# Altium PCB Armor_Plate.PcbDoc (continued)
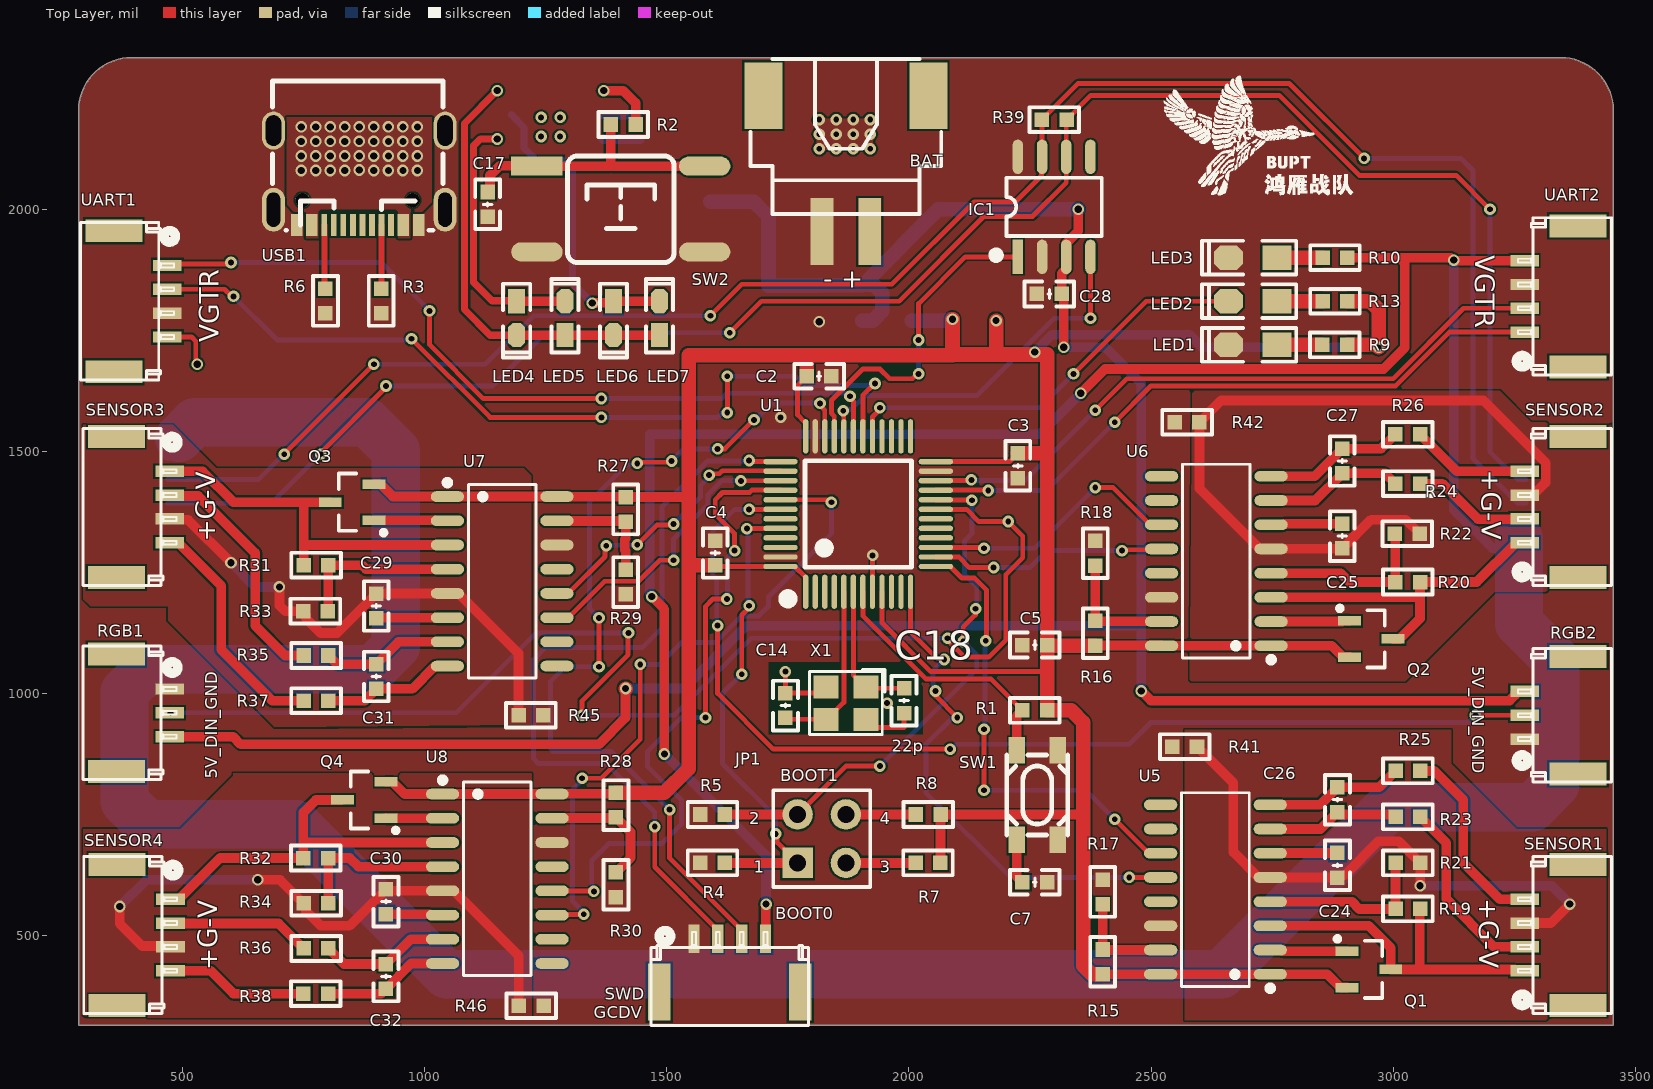
[diagram p0: Top Layer view]
## Nets (pads, with @x,y where several pads share a name; then routed paths per layer and width w, separated by ;. In a path a pad name is that pad's centre, name@x,y a point inside that pad or via, vN(x,y) a via of type N, cw(c..) or ccw(c..) an arc to the next point about the centre after c; other vN are vias at no path point)
A8: LED2.2 U1.29 | length 876.6
  Top Layer w10: U1.29 1924.88,1531.09 1924.88,1571.09 1940,1586.21 v1(1940,1590) ; v1(2340,1660) 2490,1810 LED2.2
  Bottom Layer w10: v1(1940,1590) 2270,1590 v1(2340,1660)
AGND1: C24.2 R21.1 R41.1 SENSOR1.3 U5.5 | length 1188.7
  Top Layer w20: R41.1 2670,815 2670,672.3 2722.3,620 U5.5 2746.48,619.71 2884.7,619.71 C24.2 2890,624.41 2899.41,624.41 2970,695 3011.18,695 R21.1 3055.96,649.78 3055.96,603.12 v2(3055.74,602.9) ; SENSOR1.3 3325.79,525.79 v2(3365,565)
  Bottom Layer w20: v2(3055.74,602.9) 3327.1,602.9 v2(3365,565)
AGND2: C25.2 R22.1 R42.1 SENSOR2.3 U6.5 | length 1574.4
  Top Layer w20: 2915.8,1321.59 2924,1329.79 ; R22.1 3026,1359 2954.58,1359 C25.2 2894.42,1298.84 2748.48,1298.84 U6.5 2724.76,1298.45 2600,1423.21 R42.1 2645,1605 3186.53,1605 3315.1,1476.43 3315.1,1435.42 3289.29,1409.61 SENSOR2.3
AGND3: C29.2 R33.1 R45.1 SENSOR3.3 U7.5 | length 1058.4
  Top Layer w20: SENSOR3.3 475.24,1358.58 511.42,1358.58 v2(599.95,1270.05) ; v2(700,1220) 700,1181.72 711.72,1170 R33.1 755,1163.82 755,1155 785,1125 818.82,1125 C29.2 900.19,1206.37 1046.72,1206.37 U7.5 1070.24,1206.55 1193.82,1082.97 R45.1
  Bottom Layer w20: v2(599.95,1270.05) 650,1220 v2(700,1220)
AGND4: C30.2 R34.1 R46.1 SENSOR4.3 U8.5 | length 1244.3
  Top Layer w20: v2(370,560) 370,525 416.61,478.39 473.19,478.39 SENSOR4.3 ; v2(655,615) 701.67,615 R34.1 755,561.67 755,550.71 785.71,520 844.42,520 C30.2 922.99,592.6 1036.52,592.6 U8.5 1060.24,592.2 1194.41,458.03 R46.1
  Bottom Layer w20: v2(370,560) 425,615 v2(655,615)
AVDD1: Q1.3 R19.1 SENSOR1.1 U5.3 | length 715.6
  Top Layer w20: U5.3 2950,520 2995,475 Q1.3 3055,430 ; R19.1 3055,553.82 3055,430 ; SENSOR1.1 3253.86,427.36 3251.22,430 3055,430
AVDD2: Q2.3 R20.1 SENSOR2.1 U6.3 | length 707.9
  Top Layer w20: U6.3 3049.52,1198.45 3055.59,1192.37 ; Q2.3 3013.46,1112.6 3055.59,1154.73 3055.59,1192.37 ; SENSOR2.1 3253.86,1311.18 3172.68,1230.01 R20.1 3055.59,1192.37
AVDD3: Q3.3 R31.1 SENSOR3.1 U7.3 | length 786.4
  Top Layer w20: SENSOR3.1 541.18,1458.82 605,1395 750,1395 ; R31.1 749.99,1310 ; Q3.3 750,1395 ; U7.3 753.44,1306.55 749.99,1310 ; 749.99,1310 749.99,1394.99
AVDD4: Q4.3 R32.1 SENSOR4.1 U8.3 | length 783.9
  Top Layer w20: SENSOR4.1 492.72,575 577.71,660 R32.1 749.41,695 ; Q4.3 775,780 749.41,754.41 749.41,695 ; U8.3 752.2,692.2 749.41,695
BOOT0: JP1.1 R4.2 U1.44 | length 998.8
  Top Layer w10: v1(1654.78,1039.78) 1654.78,1161.99 1670,1177.21 v1(1670,1181) ; v1(1665.46,1340.46) 1665.92,1340.92 U1.44 ; v1(1725,710) 1727.68,707.32 1727.68,692.32 JP1.1
  Top Layer w20: R4.2 JP1.1
  Bottom Layer w10: v1(1654.78,1039.78) 1615,1000 1615,855 1725,745 v1(1725,710) ; v1(1665.46,1340.46) 1667.73,1338.19 1667.73,1183.27 v1(1670,1181)
BOOT1: JP1.2 R5.1 U1.20 | length 1107.5
  Top Layer w10: JP1.2 1870,850 v1(1940,850) ; U1.20 2055.8,1399.79 2129.21,1399.79 v1(2130,1399) ; v1(2112.35,1107.35) 2112.35,1137.35 2137.32,1162.32 2137.32,1174.57 v1(2137.75,1175)
  Top Layer w20: R5.1 JP1.2
  Bottom Layer w10: v1(1940,850) 2140,1050 2140,1079.7 v1(2112.35,1107.35) ; v1(2130,1399) 2130,1330.11 2115,1315.11 2115,1245 2140,1220 2140,1177.25 v1(2137.75,1175)
CAN_RX: IC1.4 U1.32 | length 770.1
  Top Layer w10: v1(1864.32,1584) 1865.44,1582.88 1865.44,1531.09 U1.32 ; v1(2375,1775) IC1.4
  Bottom Layer w10: v1(1864.32,1584) 1866.99,1586.68 1881.07,1586.68 1909.4,1615 2140,1615 2300,1775 v1(2375,1775)
CAN_TX: IC1.1 U1.33 | length 685.9
  Top Layer w10: U1.33 1845.75,1531.09 1845.75,1572.86 1840.07,1578.55 1840.07,1605.07 1905,1670 1940,1670 1960,1650 2007.14,1650 2017.14,1660 v1(2020,1660) ; v1(2020,1730) 2020,1805 2116.65,1901.65 IC1.1
  Bottom Layer w10: v1(2020,1660) v1(2020,1730)
CANH: IC1.7 IN.4 OUT.4 R39.1 | length 3922
  Top Layer w10: v1(710,1494) 710,1495 v1(895,1680) ; v1(1590,1780) 1655,1845 1965,1845 2135,2015 2220,2015 2273.61,2068.61 2273.61,2079.19 2275,2080.59 2275,2184.4 R39.1 2349.41,2260 2785,2260 v1(2940,2105)
  Bottom Layer w10: OUT.4 656.93,1441.93 709,1494 v1(710,1494) ; v1(895,1680) 1125,1680 1225,1780 v1(1590,1780) ; v1(2940,2105) 3140,2105 3165,2080 3165,1485 3257.28,1392.72 IN.4@3275,1392.72
CANL: IC1.6 IN.3 OUT.3 R39.2 | length 3856.6
  Top Layer w10: v1(785,1494) 785,1497.5 920,1632.5 v1(920,1635) ; v1(1630,1745) 1695,1810 1980,1810 2155,1985 2255,1985 2325,2055 IC1.6 2325,2180 2325,2184.41 R39.2 2375.59,2235 2765,2235 2930,2070 3130,2070 v1(3200,2000)
  Bottom Layer w10: OUT.3 682.72,1392.72 784,1494 v1(785,1494) ; v1(920,1635) 1140,1635 1250,1745 v1(1630,1745) ; v1(3200,2000) 3200,1499.21 3257.28,1441.93 IN.3@3275,1441.93
CC1: R3.2 USB1.A5 | length 131.7
  Top Layer w10: R3.2 R3.2@910.76,1836.95
  Top Layer w12: R3.2@910.76,1836.95 USB1.A5
CC2: R6.2 USB1.B5 | length 132.4
  Top Layer w10: R6.2@792.65,1838.53 R6.2
  Top Layer w12: R6.2@792.65,1838.53 792.75,1838.62 792.75,1967.46 USB1.B5
DOUT1: U1.12 U5.12 | length 1072.7
  Top Layer w10: U1.12 2003.43,1126.57 2057.46,1072.54 2070.57,1072.54 v1(2073.11,1070) ; v1(2055,1005) 2055,995 v1(2100,950) ; v1(2455,620) U5.12
  Bottom Layer w10: v1(2055,1005) 2052.32,1007.68 2052.32,1015.54 2050,1017.86 2050,1047.85 2072.15,1070 v1(2073.11,1070) ; v1(2100,950) 2090,950 2035,895 2035,795 2210,620 v1(2455,620)
DOUT2: U1.14 U6.12 | length 491.3
  Top Layer w10: U1.14 2103.13,1281.87 2125,1260 v1(2175,1260) ; v1(2440,1295) 2441.72,1296.72 2520.19,1296.72 U6.12
  Bottom Layer w10: v1(2175,1260) 2250,1260 2285,1295 v1(2440,1295)
DOUT3: U1.38 U7.12 | length 594.8
  Top Layer w10: U7.12 1296.42,1206.55 1372.32,1282.46 1372.32,1302.32 v1(1375,1305) ; v1(1439,1307.11) 1479.89,1348 1512,1348 v1(1514,1350) ; v1(1587.35,1450.91) 1590.03,1453.59 1608.59,1453.59 1615,1460 1703.54,1460 1704.51,1459.03 U1.38
  Bottom Layer w10: v1(1375,1305) 1376.05,1306.05 1437.95,1306.05 v1(1439,1307.11) ; v1(1514,1350) 1570,1406 1570,1430.07 1587.35,1447.42 v1(1587.35,1450.91)
DOUT4: U1.40 U8.12 | length 1348.1
  Top Layer w10: U8.12 1263.64,591.65 1348.83,591.65 v1(1349.39,591.1) ; v1(1580,950) 1580,1180 1595,1195 v1(1624,1195) ; v1(1640,1295) 1640,1330 1600,1370 1600,1400 1615,1415 1670.57,1415 1675.57,1420 1703.73,1420 1703.88,1419.85 1734.52,1419.85 U1.40
  Bottom Layer w10: v1(1349.39,591.1) 1346.71,593.78 1346.71,602.25 1345,603.96 1345,655 1380,690 1490,690 1530,730 1530,780 1460,850 1460,880 1530,950 v1(1580,950) ; v1(1624,1195) 1625,1196 1625,1280 v1(1640,1295)
GND: BAT.2 C1.1 C2.1 C3.1 C4.1 C5.1 C6.1 C7.1 C8.1 C9.1 C10.1 C11.1 C12.1 C13.1 C14.2 C15.1 C16.1 C17.1 C18.2 C28.2 IC1.2 IC1.8 IN.1 IN.2 LED1.2 LED3.2 OUT.1 OUT.2 R3.1 R4.1 R5.2 R6.1 R17.2 R18.2 R29.2 R30.2 R41.2 R42.2 R45.2 R46.2 RGB1.1 RGB2.1 SW1.3 SW1.4 SW2.2 SW2.3 SWD.1 U1.8 U1.23 U1.35 U1.47 U2.9 U3.2 U5.14 U6.14 U7.14 U8.14 UART1.3 UART2.3 USB1.17 USB1.18 USB1.19 USB1.20 USB1.A1 USB1.A12 USB1.B1 USB1.B12 X1.2 X1.4 | length 339.3
  Top Layer w10: v1(1745,1045) C14.2 1815.78,1000.59 X1.2 ; X1.4 1927.87,930 1990,930 1990,964.41 C18.2@1982.34,956.75 ; U1.8 1924.84,1210.16 1924.84,1284.84 v1(1925,1285)
  other v1: 1955,980 1735,1570
  other v2: 1815,1767.6
NetC7_2: C7.2 SW1.1 | length 92.3
  Top Layer w20: SW1.1 2222.7,621.72 C7.2
NetC14_1: C14.1 U1.5 X1.3 | length 364.8
  Top Layer w10: C14.1 1747.87,946.54 X1.3 1830.63,946.54 1865.63,981.54 U1.5
NetC17_2: C17.2 R2.1 SW2.1 SW2.4 | length 574.1
  Top Layer w20: C17.2 1135,2040.59 1135,2070 1155,2090 1230.77,2090 SW2.1 1382.81,2089 1384.41,2090.59 ; R2.1 1384.41,2090.59 ; SW2.4 1386,2089 1384.41,2090.59
NetC18_1: C18.1 U1.6 X1.1 | length 288.3
  Top Layer w10: U1.6 1885.32,1037.52 1909.37,1013.46 X1.1 1914.21,1010.59 C18.1
NetC24_1: C24.1 U5.6 | length 139.1
  Top Layer w20: U5.6 2746.48,670.3 2884.7,670.3 C24.1
NetC25_1: C25.1 U6.6 | length 147.8
  Top Layer w20: U6.6 2771.97,1348.45 2774.12,1350.59 C25.1
NetC26_1: C26.1 R25.1 U5.8 | length 287.8
  Top Layer w20: U5.8 2848.82,770 C26.1 2971.18,806.18 R25.1
NetC26_2: C26.2 R23.2 U5.7 | length 277.5
  Top Layer w20: U5.7 2850,720 C26.2 2890,750 3000,750 R23.2
NetC27_1: C27.1 R26.1 U6.8 | length 292.2
  Top Layer w20: U6.8 2837.85,1448.45 C27.1 2975,1505.59 R26.1
NetC27_2: C27.2 R24.2 U6.7 | length 288.2
  Top Layer w20: U6.7 2839.03,1398.45 C27.2 2983.32,1454.41 R24.2
NetC29_1: C29.1 U7.6 | length 147.6
  Top Layer w20: C29.1 901.16,1156.16 1046.52,1156.16 U7.6
NetC30_1: C30.1 U8.6 | length 117.2
  Top Layer w20: C30.1@920.34,544.07 1011.16,544.07 1013.36,541.87 U8.6@1036.58,541.87
NetC31_1: C31.1 R37.1 U7.8 | length 275.4
  Top Layer w20: R37.1 875.6,985 C31.1 974.41,1009.41 1021.16,1056.16 1046.52,1056.16 U7.8
NetC31_2: C31.2 R35.2 U7.7 | length 272.1
  Top Layer w20: R35.2 818.93,1060.59 C31.2 945.97,1106.55 U7.7
NetC32_1: C32.1 R38.1 U8.8 | length 262.1
  Top Layer w20: R38.1 910,380 C32.1 972.2,442.2 U8.8
NetC32_2: C32.2 R36.2 U8.7 | length 270.2
  Top Layer w20: R36.2 833.34,441.18 C32.2 971.02,492.2 U8.7
NetJP1_3: JP1.3 R7.2 | length 143.8
  Top Layer w20: JP1.3 R7.2
NetJP1_4: JP1.4 R8.1 | length 144.4
  Top Layer w20: JP1.4 R8.1
NetL1_1: L1.1 U2.7 | length 76
  Bottom Layer w20: U2.7 1445,2145
NetLED1_1: LED1.1 R9.1 | length 93.8
  Top Layer w30: LED1.1 R9.1
NetLED2_1: LED2.1 R13.2 | length 94.4
  Top Layer w30: LED2.1 R13.2
NetLED3_1: LED3.1 R10.1 | length 94.4
  Top Layer w30: LED3.1 R10.1
NetLED4_1: LED4.1 LED5.2 U2.2 | length 542
  Top Layer w15: v2(1150,2145) 1115,2145 1101,2131 1101,1849 1138.79,1811.21 1188.79,1811.21 LED4.1
  Top Layer w20: LED4.1 LED5.2
NetLED4_2: LED4.2 LED5.1 LED6.2 LED7.1 U2.4 | length 905.1
  Top Layer w15: v2(1150,2245) 1082,2177 1082,1793 1135,1740 LED4.2
  Top Layer w20: LED4.2 LED5.1 LED6.2 LED7.1
NetLED6_1: LED6.1 LED7.2 U2.3 | length 629.9
  Top Layer w20: v2(1346.15,1806.15) 1346.91,1806.91 1386.91,1806.91 LED6.1 LED7.2
  Bottom Layer w15: U2.3@1179.1,2195 1205.1,2169 1205.1,2126.36 1231.46,2100 1285,2100 1305,2080 1305,1847.3 v2(1346.15,1806.15)
NetQ1_1: Q1.1 U5.2 | length 159.9
  Top Layer w20: U5.2 2770.06,470 2772.66,467.4 Q1.1
NetQ2_1: Q2.1 U6.2 | length 162.6
  Top Layer w20: U6.2 2894.98,1148.45 2896.54,1150 Q2.1
NetQ3_1: Q3.1 U7.2 | length 152.3
  Top Layer w20: Q3.1 1021.98,1357.6 1023.03,1356.55 U7.2
NetQ4_1: Q4.1 U8.2 | length 117.1
  Top Layer w20: Q4.1 920.16,742.44 1036.67,742.44 U8.2
NetR2_2: R2.2 U2.5 | length 120.6
  Top Layer w20: v2(1370,2245) 1410,2245 1435.59,2219.41 R2.2
NetR15_1: R15.1 R17.1 U5.15 | length 213.7
  Top Layer w20: R17.1 R15.1 2401.18,470 U5.15
NetR16_1: R16.1 R18.1 U6.15 | length 251.4
  Top Layer w20: R18.1 R16.1 2386.16,1148.84 2521.52,1148.84 U6.15
NetR19_2: R19.2 R21.2 U5.4 | length 360
  Top Layer w20: U5.4 2915,570 2930,555 R19.2 R21.2
NetR20_2: R20.2 R22.2 U6.4 | length 364.2
  Top Layer w20: U6.4 2891.56,1248.45 2909.99,1230.01 R20.2 3004.12,1230.3 3004.12,1329.7 R22.2
NetR27_1: R27.1 R29.1 U7.15 | length 243.3
  Top Layer w20: U7.15 1273.48,1356.16 1413.25,1356.16 R27.1 1415,1349.41 1415,1319.88 1413,1317.88 1413,1296.34 1415,1294.34 1415,1260.59 R29.1
NetR28_1: R28.1 R30.1 U8.15 | length 270.7
  Top Layer w20: U8.15 1263.48,742.6 1393.78,742.6 R28.1 1425,713.82 1425,660.6 R30.1
NetR31_2: R31.2 R33.2 U7.4 | length 344.7
  Top Layer w20: R33.2 800.59,1170.59 800.59,1264.41 R31.2 ; R31.2 870,1265 878.45,1256.55 U7.4
NetR32_2: R32.2 R34.2 U8.4 | length 337.3
  Top Layer w20: R34.2 800.88,566.96 800.88,659.7 R32.2 845,660 862.8,642.2 U8.4
PRESS1_IN+: R25.2 SENSOR1.4 | length 401.3
  Top Layer w20: R25.2 3085,840 3145,780 3145,650 3220,575 SENSOR1.4
PRESS1_IN-: R23.1 SENSOR1.2 | length 394.6
  Top Layer w20: R23.1 3110,691.18 3110,575 3208.43,476.57 SENSOR1.2
PRESS2_IN+: R26.2 SENSOR2.4 | length 247.5
  Top Layer w20: R26.2 3131.77,1458.82 SENSOR2.4
PRESS2_IN-: R24.1 SENSOR2.2 | length 226.9
  Top Layer w20: R24.1 3101.67,1433.33 3175,1360 SENSOR2.2@3252.14,1360
PRESS3_IN+: R37.2 SENSOR3.4 | length 489.2
  Top Layer w20: SENSOR3.4 491.14,1311.18 580,1222.32 580,1090 685,985 R37.2
PRESS3_IN-: R35.1 SENSOR3.2 | length 499.1
  Top Layer w20: SENSOR3.2@475.24,1407.8 532.2,1407.8 650,1290 650,1140 711.67,1078.33 R35.1
PRESS4_IN+: R38.2 SENSOR4.4 | length 294
  Top Layer w20: SENSOR4.4 557.64,427.36 605,380 R38.2
PRESS4_IN-: R36.1 SENSOR4.2 | length 302.1
  Top Layer w20: SENSOR4.2@469.27,525 698.34,525 R36.1
RESET: R1.1 SW1.2 U1.7 | length 547.5
  Top Layer w10: U1.7 1905,1160 2035,1030 2169.4,1030 R1.1
  Top Layer w20: SW1.2 2222.7,953.29 R1.1
SCK1: U1.13 U5.11 | length 959.4
  Top Layer w10: U1.13 2085.54,1262.18 2109.65,1238.07 2136.08,1238.07 2160,1214.14 2160,1110 v1(2158.75,1108.75) ; v1(2155,800) v1(2155,926) ; v1(2425,740) 2495,670 U5.11
  Bottom Layer w10: v1(2155,800) 2365,800 v1(2425,740) ; v1(2155,926) 2156.88,927.88 2156.88,1106.88 v1(2158.75,1108.75)
SCK2: U1.15 U6.11 | length 550.4
  Top Layer w10: U1.15 2055.8,1301.36 2153.64,1301.36 v1(2155,1300) ; v1(2385,1425) 2422.03,1425 2498.58,1348.45 U6.11
  Bottom Layer w10: v1(2155,1300) 2260,1300 v1(2385,1425)
SCK3: U1.39 U7.11 | length 617.1
  Top Layer w10: U7.11 1296.55,1156.55 1371.59,1231.59 1441.59,1231.59 1485,1275 v1(1514,1275) ; v1(1653,1439) 1653.17,1439.17 1734.54,1439.17 U1.39
  Bottom Layer w10: v1(1514,1275) 1514,1319 1585,1390 1585,1410 1615,1440 1652,1440 v1(1653,1439)
SCK4: U1.41 U8.11 | length 1382.3
  Top Layer w10: U8.11@1239.76,542.2 1240.71,543.15 1327.44,543.15 v1(1328.39,544.09) ; v1(1325,825) 1365,825 1445,905 v1(1445,1060) ; U1.41 1831.24,1399.98 1836.21,1395 v1(1840,1395)
  Bottom Layer w10: v1(1325,825) 1325,821.21 1305,801.21 1305,571.26 1328.39,547.88 v1(1328.39,544.09) ; v1@1450,1060 1485,1060 1530,1105 1600,1105 1655,1160 1690,1160 1710,1180 1710,1200 1840,1330 v1(1840,1395)
SWCLK: SWD.2 U1.37 | length 1643.2
  Top Layer w10: v1(1475,725) 1475,641.54 1605.2,511.34 SWD.2@1605.2,493.62 ; v1(1670,1481) 1672.09,1478.91 1734.52,1478.91 U1.37
  Bottom Layer w10: v1(1475,725) 1475,755 1375,855 1235,855 1225,865 1225,1070 1250,1095 1450,1095 1490,1135 1490,1385 1585,1480 1669,1480 v1(1670,1481)
SWDIO: SWD.3 U1.34 | length 1846.9
  Top Layer w10: v1(1360,1055) v1(1360,1156) ; v1(1439,1475) 1441.5,1477.5 1507.5,1477.5 v1(1510,1480) ; v1(1505.75,760) 1505.75,660 1654.61,511.14 SWD.3 ; v1(1605,1505) 1620,1505 v1(1680,1565) ; v1(1816.49,1599) 1816.49,1595.21 1821.68,1590.02 1821.68,1589.43 1826.07,1585.04 1826.07,1531.09 U1.34
  Bottom Layer w10: v1(1360,1055) 1290,1055 1260,1025 1260,885.86 1265.86,880 1385.75,880 v1(1505.75,760) ; v1(1360,1156) 1340,1176 1340,1395 1417.32,1472.32 1436.32,1472.32 v1(1439,1475) ; 1520,1490 1535,1505 v1(1605,1505) ; v1(1680,1565) 1682.86,1565 1717.86,1600 1806.14,1600 1807.46,1601.32 1814.17,1601.32 v1(1816.49,1599)
TIM3_CH4: RGB1.2 U1.19 | length 2645.7
  Top Layer w10: v1(475,960) RGB1.2@491.14,960 ; v1(1325,955) 1325,985 1420,1080 1420,1124.17 v1(1420.83,1125) ; U1.19 2055.8,1380.1 2086.44,1380.1 2086.54,1380 2119.3,1380 2144.3,1355 v1(2205,1355) 2235,1325 2235,1280.45 2200,1245.45 2200,1110 2165,1075 2115,1075 2087,1103 2087,1103.21 2080,1110.21 v1(2080,1114)
  Bottom Layer w10: v1(475,960) 1065,960 1230,1125 v1(1420.83,1125) ; v1(1325,955) 1515,955 1674,1114 v1(2080,1114)
TIM4_CH1: RGB2.2 U1.42 | length 2240.8
  Top Layer w10: v1(1605,1140) 1605,1000 1720,885 v1(2085,885) ; v1(1670,1380) 1670.15,1380.15 1734.56,1380.15 U1.42 ; v1(3169.98,954.98) RGB2.2
  Bottom Layer w10: v1(1605,1140) 1603,1142 1603,1236.39 1595,1244.39 1595,1335 1640,1380 v1(1670,1380) ; v1(2085,885) 2087.86,885 2097.86,895 2455,895 2500,940 3155,940 v1(3169.98,954.98)
UART1_RX: U1.31 UART1.1 | length 1662.8
  Top Layer w10: UART1.1 471.52,1886.91 596.91,1886.91 v1(600,1890) ; v1(1010,1790) 1010,1720 1121,1609 v1(1365,1609) ; v1(1878.4,1613.7) 1878.4,1609.91 1885.32,1603 U1.31
  Bottom Layer w10: v1(600,1890) 910,1890 v1(1010,1790) ; v1(1365,1609) 1613.05,1609 1624.05,1620 1868.31,1620 1874.61,1613.7 v1(1878.4,1613.7)
UART1_TX: U1.30 UART1.2 | length 1771.8
  Top Layer w10: UART1.2 586.61,1834.61 601.21,1820 v1(605,1820) ; v1(972.65,1732.35) 1135,1570 v1(1365,1570) ; v1(1625,1580) v1(1625,1655) ; U1.30 1905,1616 1929,1640 v1(1930,1640)
  Bottom Layer w10: v1(605,1820) 695,1730 970.3,1730 v1(972.65,1732.35) ; v1(1365,1570) 1605,1570 v1@1615,1580 ; v1(1625,1655) 1765.5,1655 1784.5,1636 1853.36,1636 1917.14,1636 1918.46,1637.32 1927.32,1637.32 v1(1930,1640)
UART3_RX: U1.21 UART2.1 | length 1352
  Top Layer w10: U1.21 2055.8,1419.85 2086.44,1419.85 2086.59,1420 2163,1420 v1(2164,1419) ; v1(2425,1560) 2500,1635 3005,1635 3116.18,1746.18 UART2.1
  Bottom Layer w10: v1(2164,1419) 2284,1419 v1(2425,1560)
UART3_TX: U1.22 UART2.2 | length 1364.3
  Top Layer w10: U1.22 2055.8,1439.54 2127.58,1439.54 v1(2129.04,1441) ; v1(2385,1585) 2450,1650 3000,1650 3145.39,1795.39 UART2.2
  Bottom Layer w10: v1(2129.04,1441) 2130.04,1440 2240,1440 v1(2385,1585)
VBAT: BAT.1 L1.2 U2.6 | length 71
  Bottom Layer w20: U2.6 1440,2195
  other v1: 1815,2125 1850,2125 1885,2125 1920,2125 1815,2155 1850,2155 1885,2155 1920,2155 1815,2185 1850,2185 1885,2185 1920,2185
VBUS: C1.2 C6.2 IN.5 IN.6 OUT.5 OUT.6 R10.2 SWD.4 U2.1 UART1.4 UART2.4 USB1.A4 USB1.A9 USB1.B4 USB1.B9 | length 9673.6
  Top Layer w10: UART1.4 518.82,1736.18 527.32,1727.68 527.32,1682.68 v2(530,1680) ; SWD.4 SWD.4@1704.41,494.02 ; v2@1704.41,564.41 v2(1705,565)
  Top Layer w20: v2(1469,1200) 1469,1199.92 1494.98,1173.93 v2(1495,875) ; SWD.4@1704.41,494.02 v2@1704.41,564.41 ; v2(2355,1620) 2405,1670 2980,1670 3024.14,1714.14 3024.14,1889.14 3019.47,1893.82 ; R10.2 v2@3118.92,1900 ; v2(3125,1895) 3126.08,1895 3127.26,1893.82 UART2.4
  Bottom Layer w20: OUT.5 OUT.5@469.57,1490 ; OUT.6 OUT.6@468.78,1540 ; 610,1560 615,1565 ; v2(1469,1200) 1469,1201.08 1465,1205.08 1465,1535 2270,1535 v2(2355,1620) ; v2(1495,875) 1705,665 v2(1705,565) ; v2(3125,1895) 3125,1380 3205,1300 3225.39,1300 3247.05,1321.65 3247.05,1339.37 3248.86,1341.18 IN.5
  Bottom Layer w100: 492.5,1527.5 525,1560 610,1560 881.42,1560 940,1501.42 940,1096.86 893.14,1050 426.86,1050 380,1003.14 380,776.86 426.86,730 735,730 1045,420 2645,420 2990,765 3288.14,765 3335,811.86 3335,1070 3260,1145 3260,1320
  other v2: 745,2080 775,2080 805,2080 835,2080 895,2080 925,2080 955,2080 985,2080 864.79,2081.05 745,2110 775,2110 805,2110 835,2110 865,2110 895,2110 925,2110 955,2110 985,2110 745,2140 775,2140 805,2140 835,2140 865,2140 895,2140 925,2140 955,2140 985,2140 745,2170 775,2170 805,2170 835,2170 865,2170 895,2170 925,2170 955,2170 985,2170
VCC_3V3: C2.2 C3.2 C4.2 C5.2 C12.2 C13.2 Q1.2 Q2.2 Q3.2 Q4.2 R1.2 R7.1 R8.2 R9.2 R13.1 R15.2 R16.2 R27.2 R28.2 U1.1 U1.9 U1.24 U1.36 U1.48 U3.5 U5.1 U5.16 U6.1 U6.16 U7.1 U7.16 U8.1 U8.16 | length 8151.3
  Top Layer w10: C4.2 1602.23,1262.18 U1.48 1764.64,1262.18 1786.89,1239.93 U1.1 ; U1.36 1786.89,1560.56 1786.43,1561.02 1784.2,1561.02 1770,1575.22 1770,1636.18 C2.2 ; U1.9 1944.37,1145.63 2045,1045 2285.59,1045 ; U1.24 2208.13,1478.72 C3.2
  Top Layer w20: Q3.2 908.46,1432.4 934.31,1406.55 U7.1 U7.16 1273.48,1406.16 1414.43,1406.16 R27.2 1544.41,1405.59 1545,1405 ; Q4.2 933.46,817.4 958.66,792.2 U8.1 U8.16 1263.48,792.6 1392.6,792.6 R28.2 ; 1545,1264.41 1545,1265 ; R7.1 2065.29,650.29 2065.29,749.7 R8.2 2360,750 ; R16.2 U6.16@2521.54,1098.82 ; R15.2 U5.16 U5.1 2864.13,420 2891.54,392.6 Q1.2 ; U6.16 U6.1 2873.29,1098.45 2896.54,1075.2 Q2.2
  Top Layer w30: R28.2 1495,795 1545,845 1545,1264.41 C4.2 ; 1545,1265 1545,1405 1545,1698.82 1788.82,1698.82 ; C2.2 1788.82,1698.82 ; 2090,1698.82 1788.82,1698.82 ; v2(2090,1772.6) 2090,1700 2185,1700 ; v2(2180,1770) 2180,1705 2185,1700 ; C3.2 2285,1495.59 ; 2285,1700 2260,1700 2185,1700 ; 2285.59,1700 C5.2 ; R16.2 2286.77,1098.82 C5.2 ; R15.2 2377.57,420 2360,437.57 2360,750 2360,940 2335,965 R1.2 2285.59,1045 C5.2 ; R9.2 v1@2965,1720 ; R13.1 2952.43,1810 2970,1792.43 v1(2970,1715)
  Bottom Layer w20: v2(2260,1705) 2296,1741 2579,1741 2605,1715 v1(2970,1715)
  Bottom Layer w30: U3.5 2079.5,1769.59 2082.5,1772.6 v2(2090,1772.6)
VCC_5V: C8.2 C9.2 C10.2 C11.2 C15.2 C16.2 C28.1 IC1.3 RGB1.3 RGB2.3 U2.8 U3.1 U3.3 | length 5192.5
  Top Layer w20: RGB1.3 604.21,910.79 620,895 1360,895 1414.84,949.84 v2(1414.84,1010.16) ; v2(2320,1715) 2320,1820.6 C28.1 2315.59,1867.19 2325.32,1876.92 2325.32,1930.32 2350,1955 v2(2350,2000) ; v2(2480,1005) 2500,985 3240.33,985 3252.05,996.72 3252.05,1002.4 3253.86,1004.21 RGB2.3
  Top Layer w30: v2(1414.84,1010.16) v2@1415,1010
  Bottom Layer w20: v2(1414.84,1010.16) 1535.16,1010.16 1665,1140 2480,1140 ; v2(2320,1715) 2405,1715 2480,1640 2480,1160 ; v2(2480,1005) 2480,1150
  Bottom Layer w30: C8.2 1679.41,2015.59 1710,1985 C15.2 C16.2 1815.99,1843.39 1902.82,1843.39 U3.3 U3.3@1905.31,1844.39 ; U3.1 1904.23,1770 1925,1770 1931.18,1776.18 1931.37,1776.18 1945,1789.8 1945,1826.81 1927.43,1844.39 U3.3@1905.31,1844.39 ; v2(2350,2000) 2060.93,2000 U3.3@1905.31,1844.39
pads on no net: BAT.0 IC1.5 IN.0 OUT.0 RGB1.0 RGB2.0 SENSOR1.0 SENSOR2.0 SENSOR3.0 SENSOR4.0 SWD.0 U1.2 U1.3 U1.4 U1.10 U1.11 U1.16 U1.17 U1.18 U1.25 U1.26 U1.27 U1.28 U1.43 U1.45 U1.46 U3.4 U5.9 U5.10 U5.13 U6.9 U6.10 U6.13 U7.9 U7.10 U7.13 U8.9 U8.10 U8.13 UART1.0 UART2.0 USB1. USB1.A6 USB1.A7 USB1.A8 USB1.B6 USB1.B7 USB1.B8
copper on no net:
  other v1: 1240.31,2150.32 1279.68,2150.32 1240.31,2189.69 1279.68,2189.69

## Polygon pours and split planes (outlines as drawn)
VBAT on Top Layer "VBAT_L01_P060" (solid, pour order 60): 1950,1875 1890,1875 1890,2060 1885,2065 1750,2065 1750,2230 1950,2230
GND on Top Layer "GND_L01_P057" (solid, pour order 57): 285.43,315 3454.72,315 3454.72,2204.72 ccw(c3346.46,2204.72) 3346.46,2312.99 393.7,2312.99 ccw(c393.7,2204.72) 285.43,2204.72
AGND3 on Top Layer "AGND3_L01_P049" (solid, pour order 49): 1220,935 1220,1450 1205,1465 570,1465 480,1555 295,1555 295,1195 310,1180 470,1180 470,1150 690,930
AGND4 on Top Layer "AGND4_L01_P048" (solid, pour order 48): 1221.25,330.73 1221.25,833.75 1220,835 605,835 605,830 495,720 295,720 295,325 300,330 1220,330
AGND2 on Top Layer "AGND2_L01_P051" (solid, pour order 51): 2585,1620 2590,1625 3220,1625 3285,1560 3450,1560 3450,1220 3440,1210 3210,1210 3025,1025 2580,1025
AGND1 on Top Layer "AGND1_L01_P046" (solid, pour order 46): 2570,925 2570,325 3445,325 3465,345 3440,370 3440,720 3255,720 3120,855 3120,925
VBUS on Top Layer "VBUS" (solid, remove dead copper, pour order 40): 755,1940 780,1940 780,1995 785,2000 940,2000 945,1995 945,1940 970,1940 970,1995 995,1995 1015,2015 1015,2190 715,2190 715,2010 730,1995 755,1995
VBAT on Bottom Layer "VBAT_L02_P036" (solid, remove dead copper, pour order 36): 1445,2315 1430,2300 1430,2175 1440,2165 1680,2165 1840,2005 1840,1925 1945,1925 1945,2310 1940,2315
NetL1_1 on Bottom Layer "NETL1_1_L02_P038" (solid, remove dead copper, pour order 38): 1440,2155 1430,2145 1430,2085 1440,2075 1605,2075 1615,2085 1615,2150 1610,2155
VCC_5V on Bottom Layer "VCC_5V_L02_P039" (solid, remove dead copper, pour order 39): 1335,2110 1325,2100 1325,1995 1330,1990 1610,1990 1615,1995 1615,2050 1605,2060 1415,2060 1410,2065 1410,2100 1400,2110
GND on Bottom Layer "GND_L02_P058" (solid, pour order 58): 285.43,315 3454.72,315 3454.72,2204.72 ccw(c3346.46,2204.72) 3346.46,2312.99 393.7,2312.99 ccw(c393.7,2204.72) 285.43,2204.72
VBUS on Bottom Layer "VBUS_L02_P055" (solid, pour order 55): 715,2117.5 712.5,2115 520,2115 430,2025 430,1475 570,1475 635,1540 635,1595 620,1595 570,1645 570,2030 585,2045 715,2045
VBUS on Bottom Layer "VBUS_L02_P043" (solid, remove dead copper, pour order 43): 1185,2110 1015,2110 1015,2060 1115,2060 1135,2040 1135,2000 1140,1995 1240,1995 1245,2000 1245,2055
VBUS on Bottom Layer "VBUS_L02_P041" (solid, remove dead copper, pour order 41): 715,2190 715,2045 1015,2045 1015,2190

## Other copper
Top Layer:
  pour cut-out: 1710,915 2030,915 2030,1015 1980,1065 1710,1065

## Silkscreen, mask and mechanical layers (free items; w line width, h text height)
Top Overlay:
  drawing of 133 lines, arcs and shapes, not listed
  text "VGTR" at 3170,1905 h40 r270
  text "- +" at 1823,1838 h40
  text "VGTR" at 575,1725 h40 r90
  text "+G-V" at 3183,1462 h40 r270
  text "+G-V" at 567,1313 h40 r90
  text "5V_DIN_GND" at 3163.17,1056 h25 r270
  text "5V_DIN_GND" at 571.83,824 h25 r90
  text "BOOT1" at 1734,819 h25
  text "+G-V" at 3178,577 h40 r270
  text "BOOT0" at 1724,534 h25
  text "+G-V" at 572,428 h40 r90
  text "GCDV" at 1349,329 h25
Bottom Overlay:
  drawing of 63 lines, arcs and shapes, not listed
  text "GGLHVV" at 3222,1507 h40 r90
  text "GGLHVV" at 528,1323 h40 r270
  text "ARMOR_PLATE_V1.4" at 1275,455 h60
Mechanical 1:
  the board outline again, w10
Drill Drawing:
  text ".Legend" at 4385,1174.99 h60

## Dimensions
285.43,315 to 3454.72,315 on Mechanical 13
3346.46,2312.99 to 3454.72,315 on Mechanical 13

## Text inside footprints (layer, text, board x,y; h text height)
JP1: Top Overlay "1" at 1680,630 h25; Top Overlay "2" at 1670,730 h25; Top Overlay "3" at 1940,630 h25; Top Overlay "4" at 1940,730 h25